# Altium PCB STM32MP25XXAK_2_DDR4.PcbDoc (part 4 of 6) (continued)
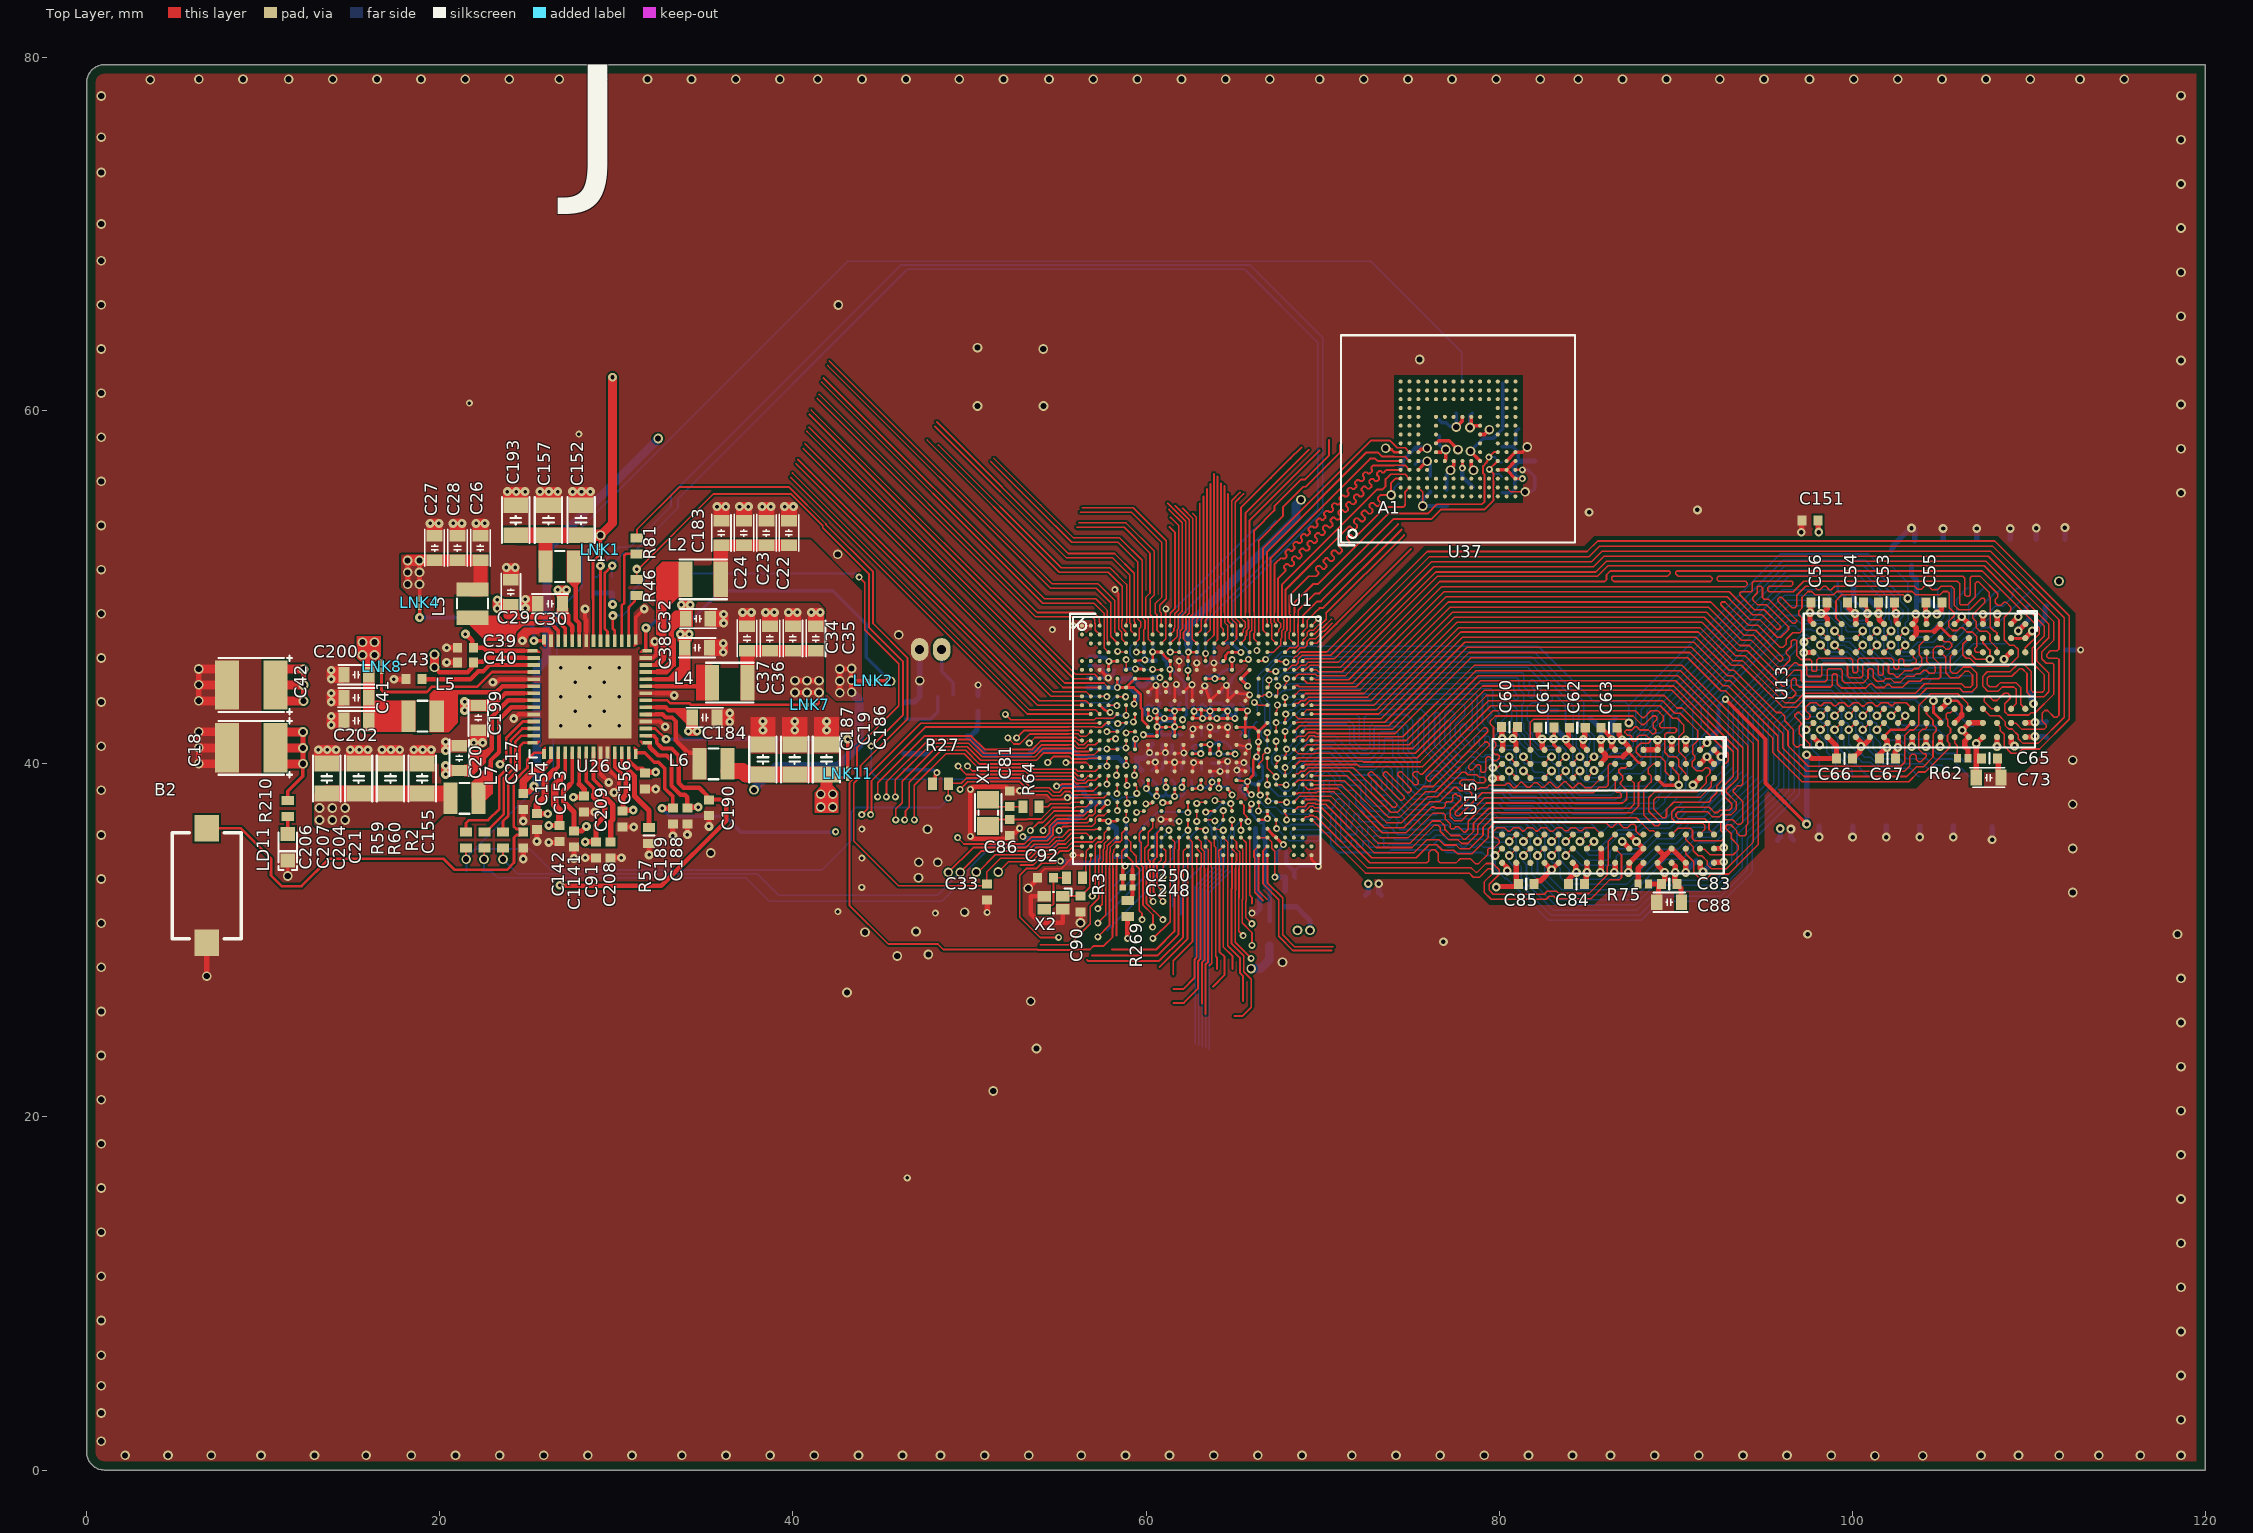
[diagram p0: Top Layer view]
## Nets (pads, with @x,y where several pads share a name; then routed paths per layer and width w, separated by ;. In a path a pad name is that pad's centre, name@x,y a point inside that pad or via, vN(x,y) a via of type N, cw(c..) or ccw(c..) an arc to the next point about the centre after c; other vN are vias at no path point) (continued)
  other v2: 46.475,16.55 48.075,31.55 42.551,31.633 43.9,33 43.902,34.655 43.902,36.305 65.54,40.075 65.87,43.91 64.55,44.448 61.1,44.49 62.606,44.48 54.694,47.6 27.875,58.675 21.675,60.437
  other v3: 24.722,34.61 27.6,34.64 24.725,36.76 20.325,40.75 13.124,40.798 13.625,40.798 14.126,40.798 14.924,40.798 15.425,40.798 15.926,40.798 16.724,40.798 17.225,40.798 17.726,40.798 18.524,40.798 19.025,40.798 19.526,40.798 21.924,41.202 22.425,41.202 20.325,41.25 38.304,41.9 40.104,41.9 41.904,41.9 26.85,42.15 28.5,42.15 30.15,42.15 13.85,42.2 36.42,42.375 38.304,42.401 40.104,42.401 41.904,42.401 13.85,42.7 36.42,42.875 27.675,42.975 29.325,42.975 13.85,43.5 26.85,43.8 28.5,43.8 30.15,43.8 33.28,43.875 13.85,44 27.675,44.625 29.325,44.625 13.85,44.8 13.85,45.3 26.85,45.45 28.5,45.45 30.15,45.45 36.05,46.325 36.05,46.825 36.075,47.975 36.075,48.475 37.15,48.575 37.65,48.575 38.45,48.575 38.95,48.575 39.75,48.575 40.25,48.575 41.05,48.575 41.55,48.575 24.85,48.823 24.85,49.323 23.775,51.123 24.276,51.123 19.45,53.623 19.951,53.623 20.75,53.623 21.251,53.623 22.05,53.623 22.551,53.623 35.7,54.575 36.2,54.575 36.975,54.575 37.475,54.575 38.25,54.575 38.75,54.575 39.525,54.575 40.025,54.575 23.824,55.425 24.325,55.425 24.826,55.425 25.674,55.425 26.175,55.425 26.676,55.425 27.524,55.425 28.025,55.425 28.526,55.425
  other v4: 76.844,29.925 97.475,30.35 84.978,33.854 86.528,33.854 89.378,33.854 92.728,35.254 86.978,35.604 90.178,38.804 79.628,39.179 102.578,40.929 104.178,40.979 100.5,40.99 88.978,41.354 106.228,41.904 110.276,43.405 104.603,43.579 106.203,48.329 104.203,48.479 100.158,48.517 85.1,54.256 91.234,54.385
HSE_IN: C90.2 U1.AG2 X2.1 | length 3.6
  Top Layer w0.1: X2.1@55.284,32.51 56.318,32.51 56.814,33.005 56.814,34.464 56.875,34.525 U1.AG2@56.875,34.825
HSE_OUT: R3.2 U1.AF2 | length 2
  Top Layer w0.09: 56.59,34.075 56.59,34.686 56.625,34.721 56.625,35.075 U1.AF2@56.875,35.325
  Top Layer w0.1: R3.2@56.409,33.546 56.59,33.727 56.59,34.075
I2C7.SCL: R261.1 U1.E15 U26.33 | length 74.8
  Top Layer w0.1: U1.E15@63.375,45.825 v2(63.375,46.25)
  Top Layer w0.15: U26.33@29.5,46.97 29.5,47.5 29.35,47.65 29.35,50.812 v3(29.763,51.225)
  Bottom Layer w0.1: R261.1@29.785,50.583 29.743,50.626 29.743,51.265 30.406,51.929 30.917,51.929 33.493,54.505 33.493,55.016 46.487,68.01 65.588,68.01 69.733,63.865 69.733,54.412 63.375,48.054 v2(63.375,46.25)
I2C7.SDA: R260.1 U1.E19 U26.34 | length 76.1
  Top Layer w0.1: U1.E19@65.375,45.825 v2@65.629,45.825
  Top Layer w0.15: U26.34@29.1,46.97 v3(29.1,51.225)
  Bottom Layer w0.1: R260.1@28.81,50.583 28.9,50.583 29.08,50.763 v3@29.08,51.228 ; v3@29.093,51.228 30.141,52.275 30.771,52.275 33.099,54.603 33.099,55.234 46.115,68.25 65.899,68.25 70.009,64.14 70.009,54.304 64.91,49.206 64.91,47.299 65.8,46.41 v2(65.8,45.915)
MP257_WAKEUP: U1.AF5 U26.32 | length 59.2
  Top Layer w0.09: 58.125,34.075 58.125,34.929 58.165,34.969 58.165,35.115 U1.AF5@58.375,35.325
  Top Layer w0.1: v2(43.751,50.58) 44.063,50.269 44.063,47.604 45.995,45.672 45.995,43.285 43.631,40.921 43.631,39.348 43.2,38.916 43.2,31.993 45.395,29.797 48.212,29.797 48.525,29.485 53.864,29.485 53.889,29.46 55.786,29.46 55.811,29.485 56.828,29.485 57.032,29.69 57.602,29.69 58.106,30.195 58.106,30.747 58.125,30.765 58.125,34.075
  Top Layer w0.15: v3(29.8,48.4) 29.8,47.653 29.9,47.553 U26.32@29.9,46.97
  Bottom Layer w0.1: v3@29.78,48.403 30.361,48.403 30.78,48.823 30.78,49.661 31.898,50.778 43.543,50.778 43.74,50.58 v2(43.751,50.58)
NetB2_2: B2.2 C155.2 U26.1 | length 28.3
  Top Layer w0.15: B2.2@6.795,36.354 8.721,36.354 10.438,34.637 10.438,33.673 11.036,33.075 12.162,33.075 13.713,34.625 20.219,34.625 20.845,33.999 23.799,33.999 24.2,34.4 24.2,35.825 24.347,35.972 24.554,35.972 C155.2@24.727,36.145 24.562,36.31 24.338,36.31 24.187,36.46 24.187,39.008 24.962,39.783 24.962,40.237 25.355,40.63 U26.1@25.9,40.63
NetC14_2: C14.2 D6.2 R66.2 | length 2.9
  Bottom Layer w0.2: C14.2@46.382,42.565 46.424,42.523 D6.2@47.673,42.523 47.792,42.523 48.192,42.923 R66.2@48.192,43.796
NetC15_2: C15.2 C252.2 C260.2 R11.2 U1.AB20 U1.AB22 U1.AC21 | length 8.8
  Top Layer w0.15: U1.AB20@65.875,37.325 65.875,37.607 65.95,37.682 v2@65.95,37.75 ; U1.AC21@66.375,36.825 v2@66.732,36.825
  Top Layer w0.16: U1.AB22@66.875,37.325 66.875,36.95 v2@66.9,36.925
  Bottom Layer w0.15: v2(65.969,37.735) 65.95,37.716 65.95,37.205 66.167,36.988 66.167,36.939 66.355,36.75 66.374,36.75 66.474,36.65 66.502,36.65 66.637,36.65 v2@66.875,36.889 ; 66.597,36.65 66.675,36.572 66.675,36.37
  Bottom Layer w0.25: 66.675,36.37 66.675,35.766 66.721,35.72 C15.2@66.721,35.716 ; C15.2@66.75,35.714 66.75,33.083 67,32.833 R11.2@67,31.075
  other v2: 66.875,36.9
NetC43_2: C43.2 U26.45 | length 6.7
  Top Layer w0.21: 24.775,45.6 U26.45@25.33,45.6
  Top Layer w0.25: C43.2@19.015,44.79 21.731,44.79 22.176,45.235 22.451,45.235 22.816,45.6 24.775,45.6
NetC54_2: C54.2 R146.1 R147.2 U13.M1 | length 3.4
  Top Layer w0.2: C54.2@100.63,49.15 100.785,48.995 100.785,48.886 100.818,48.853 100.818,48.559 v4@100.848,48.529 ; v4@100.828,48.476 100.828,48.079 100.982,47.925 U13.M1@101.006,47.925
  Bottom Layer w0.15: R146.1@100.095,49.275 v4@100.853,48.516
  Bottom Layer w0.3: R147.2@100.082,50.229 100.082,49.288 R146.1@100.095,49.275
  other v4: 100.86,48.517
NetC61_2: C61.2 R141.1 R142.2 U15.M1 | length 4.2
  Top Layer w0.2: v4@83.044,41.362 v4(83.088,41.406) ; C61.2@83.115,42.05 83.115,41.433 v4(83.088,41.406) ; U15.M1@83.374,40.797 83.088,41.083 v4(83.088,41.406)
  Bottom Layer w0.1: 82.79,43.023 82.768,43 82.768,41.726 v4(83.088,41.406)
  Bottom Layer w0.2: R142.2@82.271,43.023 82.79,43.023 R141.1@83.268,43.023 R141.1@83.31,43.023
NetC79_2: C79.2 C130.2 U37.C2 | length 3.5
  Top Layer w0.09: U37.C2@75.425,55.655 75.675,55.405 v1(75.675,54.605)
  Bottom Layer w0.25: C79.2@76.11,55.405 75.675,54.97 v1(75.675,54.605) C130.2@77.027,54.605
NetC81_1: C81.1 R64.2 X1.1 | length 2.1
  Top Layer w0.1: X1.1@51.059,37.975 51.459,37.575 C81.1@52.285,37.575 R64.2@53.035,37.575
NetC92_1: C92.1 R3.1 X2.3 | length 2.9
  Top Layer w0.1: X2.3@54.234,31.76 54.461,31.987 54.694,31.987 54.759,32.052 C92.1@54.759,33.546 R3.1@55.509,33.546
NetC208_1: C208.1 U26.8 | length 5.4
  Top Layer w0.21: U26.8@28.7,40.63 28.7,39.134 29.125,38.709 29.125,38.345 29.298,38.172
  Top Layer w0.3: 29.298,38.172 29.8,37.67 29.8,36.843 29.675,36.718 C208.1@29.675,35.705
NetC225_2: C225.2 U1.R7 | length 1.1
  Top Layer w0.1: U1.R7@59.375,40.825 v2@59.375,41.41
  Bottom Layer w0.1: C225.2@59.375,40.95 C225.2@59.425,40.9
  Bottom Layer w0.3: C225.2@59.375,40.95 v2@59.375,41.41
  other v2: 59.41,41.41
NetC235_2: C235.2 C244.2 R267.1 U1.AB6 | length 3.2
  Top Layer w0.09: v2(58.875,36.825) U1.AB6@58.875,37.325
  Bottom Layer w0.2: R267.1@58.223,34.723 58.734,34.723 58.875,34.864 C235.2@58.875,35.625 C244.2@58.875,36.331 v2(58.875,36.825)
NetC251_2: C251.2 R286.2 U1.AE21 U1.AE22 | length 4.3
  Top Layer w0.09: U1.AE21@66.375,35.825 U1.AE22@66.875,35.825 ; U1.AE22@66.902,35.798 67.125,35.575 67.125,35.221 67.295,35.052 67.295,33.593 v2(67.3,33.588)
  Top Layer w0.1: U1.AE22@66.875,35.825 U1.AE22@66.902,35.798
  Bottom Layer w0.3: v2(67.3,33.588) C251.2@67.89,33.588 R286.2@67.89,32.815
NetCN12_1: CN12.1 R66.1 | length 3.2
  Bottom Layer w0.2: CN12.1@48.425,46.801 48.425,45.241 49.083,44.583 R66.1@49.083,43.917
NetD6_1: D6.1 R67.1 | length 1.4
  Bottom Layer w0.3: R67.1@46.3,40.575 47.625,40.575 D6.1@47.673,40.623
NetD7_1: D7.1 R248.1 U37.K5 | length 5.7
  Top Layer w0.2: v1(78.375,57.705) U37.K5@78.925,57.155
  Bottom Layer w0.2: v1(78.375,57.705) 79.125,58.455 79.682,58.455 R248.1@80.207,58.98 80.207,61.55 D7.1@80.195,61.563
NetL1_1: L1.1 U26.37 | length 4.2
  Top Layer w0.21: U26.37@27.9,46.97 27.9,47.525
  Top Layer w0.25: L1.1@27.7,51.135 27.7,48.173 27.9,47.973 27.9,47.525
NetL2_1: L2.1 U26.26 | length 6
  Top Layer w0.09: 32.725,48.56 32.725,49.26 33.433,49.968 33.56,49.968 33.915,50.323 L2.1@33.915,50.45
  Top Layer w0.2: U26.26@31.917,45.6 32.4,45.6 32.725,45.925 32.725,48.56
NetL3_1: L3.1 U26.40 | length 5.9
  Top Layer w0.15: L3.1@21.698,48.162 L3.1@21.85,48.01
  Top Layer w0.21: L3.1@21.85,48.275 22.135,47.99 23.91,47.99 26.265,47.99 26.7,47.555 U26.40@26.7,46.97
NetL4_1: L4.1 U26.23 | length 3.8
  Top Layer w0.15: L4.1@35.36,43.885 L4.1@35.36,44.4
  Top Layer w0.21: U26.23@31.67,44.4 32.225,44.4
  Top Layer w0.25: 32.225,44.4 35,44.4
NetL5_1: L5.1 U26.48 | length 7.2
  Top Layer w0.15: L5.1@19.618,42.448 L5.1@19.87,42.7 ; L5.1@20.09,42.585 L5.1@20.09,43.1
  Top Layer w0.21: 24.775,44.4 U26.48@25.33,44.4
  Top Layer w0.25: 19.825,43.6 20.275,44.05 23.2,44.05 23.55,44.4 24.775,44.4 ; L5.1@20.09,43.1 20.09,43.615
NetL6_1: L6.1 U26.19 | length 4.9
  Top Layer w0.21: U26.19@31.67,42.8 32.225,42.8
  Top Layer w0.25: 32.225,42.8 32.623,42.8 32.798,42.625 33.15,42.625 33.375,42.4 33.375,41.325 34.071,40.629 34.425,40.629 34.43,40.624 L6.1@34.43,40.025
NetL7_1: L7.1 U26.51 | length 7.4
  Top Layer w0.21: 24.775,43.2 U26.51@25.33,43.2
  Top Layer w0.25: L7.1@22.425,38.425 L7.1@22.425,38.669 ; L7.1@22.475,37.95 22.875,38.35 22.875,40.184 23.35,40.659 23.35,42.503 24.047,43.2 24.775,43.2
NetLD11_1: LD11.1 R210.2 | length 1
  Top Layer w0.2: LD11.1@11.386,36.022 R210.2@11.386,37.015
NetR2_2: R2.2 U26.56 | length 6.1
  Top Layer w0.15: R2.2@23.58,36.145 23.58,36.76 23.875,37.055 23.875,39.091 24.512,39.728 24.512,40.985 24.727,41.2 U26.56@25.255,41.2
NetR46_2: R46.2 U26.30 | length 2.8
  Top Layer w0.15: U26.30@30.7,46.97 30.7,48.87 31.032,49.202 31.032,49.43 R46.2@31.15,49.548
NetR57_2: R57.2 U26.12 | length 4.9
  Top Layer w0.21: U26.12@30.3,40.63 30.3,40.016 30.47,39.845
  Top Layer w0.3: 30.47,39.845 31.025,39.291 31.025,38.174 31.85,37.349 R57.2@31.85,36.4
NetR59_2: R59.2 U26.54 | length 8.5
  Top Layer w0.15: R59.2@21.48,36.145 21.48,36.64 21.65,36.81 22.736,36.81 23.375,37.449 23.375,39.298 24.012,39.935 24.012,41.335 24.677,42 U26.54@25.33,42
NetR60_2: R60.2 U26.55 | length 7.1
  Top Layer w0.15: R60.2@22.53,36.145 22.604,36.145 23.625,37.166 23.625,39.194 24.262,39.832 24.262,41.232 24.631,41.6 U26.55@25.33,41.6
NetR62_2: R62.2 U13.F9 | length 1.3
  Top Layer w0.09: U13.F9@105.806,41.525 105.806,41.175 105.956,41.025 R62.2@105.956,40.325
NetR75_2: R75.2 U15.F9 | length 1.3
  Top Layer w0.3: R75.2@87.875,33.193 87.875,34.069 88.181,34.374 U15.F9@88.181,34.4
NetR81_2: R81.2 U26.31 | length 5.7
  Top Layer w0.15: U26.31@30.3,46.97 30.3,48.973 30.45,49.123 30.45,51.81 30.538,51.898 R81.2@31.163,51.898
NetR174_2: R174.2 U1.K22 | length 1.4
  Top Layer w0.1: v2(66.135,43.486) 66.212,43.486 66.374,43.325 U1.K22@66.875,43.325
  Bottom Layer w0.1: v2(66.135,43.486) 66.135,43.454 66.3,43.289 R174.2@66.3,42.975
NetTP21_1: TP21.1 U37.H5 | length 1.7
  Top Layer w0.15: v2(77.925,56.755) U37.H5@77.925,57.155
  Bottom Layer w0.25: v2(77.925,56.755) 77.925,56.256 TP21.1@78.516,55.665
NRST: C33.2 R81.1 U1.AE1 | length 49.7
  Top Layer w0.09: 55.444,35.457 55.812,35.825 U1.AE1@56.375,35.825
  Top Layer w0.1: R81.1@31.163,52.798 31.163,53.273 33.565,55.675 39.786,55.675 41.873,53.588 41.873,53.551 44.541,50.883 44.541,47.949 46.497,45.992 46.497,42.556 43.821,39.879 43.821,39.269 43.443,38.89 43.443,35.633 45.978,33.097 50.897,33.097 C33.2@51,33.2 50.975,33.225 50.975,33.875 51.758,34.658 53.449,34.658 53.863,35.073 54.632,35.073 55.016,35.457 55.444,35.457
NRSTC1MS: D7.2 R27.1 R59.1 R272.1 U1.W3 | length 123.2
  Top Layer w0.09: 56.11,38.46 57.01,38.46 U1.W3@57.375,38.825
  Top Layer w0.1: R59.1@21.48,35.245 21.475,35.24 21.475,34.625 v1@21.49,34.61 ; v2(48.805,38.061) R27.1@48.805,38.872 48.805,38.904 49.542,38.904 49.831,39.194 49.936,39.194 49.938,39.192 50.559,39.192 50.561,39.194 52.93,39.194 53.474,38.65 54.531,38.65 54.787,38.394 55.077,38.394 55.319,38.635 55.764,38.635 55.939,38.46 56.11,38.46
  Bottom Layer w0.1: R272.1@21.505,33.882 21.505,34.595 21.49,34.61 21.49,34.694 21.972,35.176 ; v2(48.805,38.061) 48.805,38.016 48.314,37.526 43.556,37.526 43.288,37.258 43.288,35.651 41.626,33.989 26.279,33.989 25.092,35.176 21.972,35.176 ; D7.2@77.88,61.563 77.88,63.32 72.735,68.465 43.114,68.465 28.049,53.4 28.049,50.003 26.618,48.572 26.618,45.92 26.431,45.733 26.431,39.267 25.501,38.337 25.133,38.337 21.972,35.176
  other v1: 21.49,34.6
OSC32_IN: C86.1 U1.AA2 X1.2 | length 6.4
  Top Layer w0.09: 55.625,37.525 56,37.525 56.05,37.575 56.625,37.575 U1.AA2@56.875,37.825
  Top Layer w0.1: X1.2@51.059,36.475 51.434,36.85 53.271,36.85 53.296,36.875 54.052,36.875 54.702,37.525 55.625,37.525
OSC32_OUT: R64.1 U1.AA1 | length 2.5
  Top Layer w0.09: 56.05,37.825 U1.AA1@56.375,37.825
  Top Layer w0.1: R64.1@53.935,37.575 54.436,37.575 54.597,37.735 55.695,37.735 55.784,37.825 56.05,37.825
PMIC_WAKEUPn: R46.1 U1.W7 | length 46.6
  Top Layer w0.09: U1.W7@59.375,38.825 59.375,38.802 59.475,38.702 v2(59.475,38.325)
  Top Layer w0.1: R46.1@31.15,50.448 31.15,50.942 35.501,55.293 39.879,55.293 41.683,53.488 41.683,53.37 44.316,50.738 44.316,47.708 46.24,45.785 46.24,42.779 44.461,41 v2(44.43,41)
  Bottom Layer w0.09: v2(44.43,41) 44.43,39.527 44.833,39.123 56.341,39.123 57.139,38.325 57.851,38.325 58.206,37.97 58.492,37.97 58.637,38.115 59.265,38.115 v2(59.475,38.325)
  other v3: 31.15,51.033
PWR_CPU_ON: R60.1 R272.2 U1.AB4 | length 40.2
  Top Layer w0.09: 55.627,36.457 56.927,36.457 57.125,36.655 57.125,36.929 57.271,37.075 57.625,37.075 U1.AB4@57.875,37.325
  Top Layer w0.095: 55.57,36.455 55.625,36.455
  Top Layer w0.1: v1(22.5,34.6) 22.514,34.614 22.514,35.229 R60.1@22.53,35.245 ; v2(55.077,36.225) 55.307,36.455 55.57,36.455
  Bottom Layer w0.1: R272.2@22.405,33.882 22.936,33.882 23.265,33.553 37.33,33.553 38.666,32.217 48.438,32.217 49.9,33.679 49.9,34.006 51.228,35.335 54.815,35.335 55.083,35.603 v2@55.083,36.219 ; R272.2@22.471,34.068 22.5,34.097 v1(22.5,34.6)
PWR_ON: R2.1 U1.AD3 | length 36.9
  Top Layer w0.09: 56.084,36.26 57.09,36.26 57.128,36.298 57.348,36.298 U1.AD3@57.375,36.325
  Top Layer w0.1: v1(23.575,34.6) 23.58,34.605 R2.1@23.58,35.245 ; v1(49.475,33.855) 50.678,35.058 53.276,35.058 53.671,35.453 54.474,35.453 54.865,35.844 55.241,35.844 55.659,36.262 56.082,36.262
  Bottom Layer w0.1: v1(23.575,34.6) 24.4,33.775 37.982,33.775 39.197,32.561 48.18,32.561 v1(49.475,33.855)
VBAT: C87.2 D6.3 U1.T6 | length 12.2
  Top Layer w0.15: v2@58.875,39.933 U1.T6@58.875,40.325
  Bottom Layer w0.3: C87.2@50.485,42.988 50.485,42.185 50.423,42.123 50.423,41.923 50.073,41.573 D6.3@49.873,41.573 50.976,40.471 53.326,40.471 53.642,40.788 55.87,40.788 56.299,40.358 58.427,40.358 v2@58.864,39.921 ; v2@58.831,39.889 v2@58.864,39.921 ; v2(58.875,39.91) v2@58.864,39.921 ; v2@58.875,39.933 v2@58.864,39.921
VDD3V3_USB: C156.2 R286.1 U26.13 | length 50.7
  Top Layer w0.21: U26.13@30.7,40.63 30.7,40.2 31.163,39.737 31.418,39.737 31.42,39.735 31.49,39.735 31.625,39.6 C156.2@31.625,39.53
  Top Layer w0.3: C156.2@31.625,39.53 v3(32.235,39.53)
  Signal Layer 2 w0.3: 43.518,27.562 67.603,27.562 69.284,29.244 v1(69.284,30.569)
  Signal Layer 2 w0.5: v3(32.235,39.53) 35.12,39.53 37.15,37.5 37.15,33.93 43.518,27.562
  Bottom Layer w0.3: R286.1@67.89,31.915 67.898,31.908 68.514,31.908 69.284,31.138 v1(69.284,30.569)
VDD_DDR: C13.2 C39.2 C41.2 C53.2 C55.2 C56.2 C60.2 C62.2 C63.2 C65.2 C67.2 C73.2 C75.2 C76.2 C77.1 C82.2 C83.2 C84.2 C88.2 C150.2 C151.2 C162.2 C194.2 C197.2 C200.2 C202.2 C205.2 C218.2 C219.2 C221.2 L5.2 LNK8.2 R141.2 R146.2 U1.1C11 U1.1D12 U1.1E11 U1.1F12 U1.1L11 U1.1M12 U1.M22 U1.N21 U1.R21 U13.A1 U13.A9 U13.B3 U13.B9 U13.C1 U13.D1 U13.D9 U13.F2 U13.F8 U13.G1 U13.G7 U13.G9 U13.J1 U13.J2 U13.J8 U13.J9 U13.L1 U13.L9 U13.R1 U13.T9 U15.A1 U15.A9 U15.B3 U15.B9 U15.C1 U15.D1 U15.D9 U15.F2 U15.F8 U15.G1 U15.G7 U15.G9 U15.J1 U15.J2 U15.J8 U15.J9 U15.L1 U15.L9 U15.R1 U15.T9 U26.43 | length 81.5
  Top Layer w0.09: U15.J8@85.75,35.174 U15.J8@85.75,35.199 ; U13.G1@105.006,47.75 U13.G1@105.006,47.869 ; U13.A9@109.781,41.502 U13.A9@109.805,41.526
  Top Layer w0.15: v1(16.298,46.165) 16.7,45.763 LNK8.2@16.7,45.723 ; U1.1L11@65.125,39.075 v2(65.75,39) 65.746,38.996 65.746,38.703 65.625,38.582 U1.1M12@65.625,38.575 65.625,38.565 v2@65.9,38.29 ; U1.1E11@65.125,42.075 65.625,42.075 ; U1.1C11@65.125,43.075 65.675,43.075 v2(65.75,43) ; U1.1F12@65.625,41.575 65.625,42.075 ; v2@65.675,42.99 65.675,42.646 65.625,42.597 U1.1D12@65.625,42.575 65.625,42.075 ; 86.006,40.4 87.015,40.4 ; U15.G1@87.381,40.8 87.381,40.773 87.381,40.61 87.936,40.055 U15.F2@88.126,40.055 ; U13.L9@101.806,41.525 101.806,41.55 102.181,41.925 102.956,41.925 U13.J8@103.417,42.386 ; 103.638,47.503 104.647,47.503 ; U13.G1@105.006,47.75 105.522,47.234 105.691,47.234 105.8,47.125 U13.F2@105.806,47.125 ; v4(105.403,43.579) 105.927,43.579 106.206,43.3 106.206,42.825
  Top Layer w0.16: 65.7,42.075 66.125,42.075 U1.N21@66.375,41.825 ; v2(65.75,39) 65.75,39.031 66.071,39.352 66.071,40.221 v2@66.248,40.398 ; v2(66.26,40.398) 66.26,40.463 66.362,40.565 66.362,40.812 U1.R21@66.375,40.825 66.375,41.233 v2(66.364,41.244) 66.364,41.814 U1.N21@66.375,41.825 ; U1.M22@66.875,42.325 U1.N21@66.375,41.825
  Top Layer w0.21: 24.775,46.4 U26.43@25.325,46.4
  Top Layer w0.25: 21.695,47.125 21.699,47.125 21.845,46.979 21.845,46.685 C39.2@21.955,46.575 ; C39.2@22.005,46.575 22.475,46.575 22.65,46.4 24.775,46.4
  Top Layer w0.3: v3@21.444,47.376 21.695,47.125 ; U15.T9@80.181,34.4 80.467,34.114 80.467,33.947 v4(80.458,33.939) ; U15.R1@80.981,40.8 80.962,40.819 80.962,41.19 80.781,41.371 80.781,41.479 80.901,41.599 80.901,41.97 C60.2@81.006,42.075 ; C84.2@83.836,33.16 C84.2@83.874,33.197 ; C62.2@83.931,41.972 83.931,41.493 83.836,41.398 83.836,41.148 84.158,40.825 84.181,40.825 U15.L1@84.181,40.8 ; C84.2@83.948,33.472 84.327,33.85 84.381,33.85 84.342,33.888 84.342,34.211 84.181,34.373 U15.L9@84.181,34.4 ; v4@85.731,33.85 85.781,33.9 U15.J8@85.781,35.2 ; U15.J2@85.781,40 85.8,40.019 85.8,40.092 86.006,40.299 86.006,40.4 86.006,40.547 85.781,40.773 v4@85.781,41.375 ; C63.2@86.67,42.05 86.806,41.914 86.806,41.632 86.881,41.557 86.881,41.504 86.981,41.404 86.981,41.325 87.362,40.944 87.362,40.819 U15.G1@87.381,40.8 ; 87.015,40.4 87.015,40.407 U15.G1@87.381,40.773 ; v4@87.376,33.855 87.381,33.859 87.381,34.4 88.181,35.2 88.175,35.2 88.168,35.2 87.781,35.588 87.781,35.6 87.393,35.987 87.381,35.987 U15.G7@87.381,36 ; U15.D9@89.781,34.4 89.981,34.2 89.981,33.85 89.951,33.82 89.951,33.305 90.306,32.95 C88.2@90.306,32.175 ; U15.D1@89.781,40.8 v4@89.781,41.35 ; U15.C1@90.581,40.8 v4@90.581,41.35 ; v4@90.981,38.8 U15.B3@91.381,39.2 ; U15.B9@91.4,34.348 91.4,34.085 91.556,33.929 v4@91.556,33.875 ; U15.A1@92.181,40.8 v4@92.581,40.4 ; U15.A9@92.2,34.419 92.621,34.419 92.677,34.475 92.702,34.45 v4@92.731,34.45 ; U13.T9@97.812,41.503 98.197,41.119 98.197,41.116 v4(98.152,41.071) ; C151.2@98.055,53.774 98.079,53.749 98.079,53.151 v5(98.104,53.126) ; C56.2@98.58,49.145 98.583,49.148 98.583,48.774 98.332,48.522 v5(98.241,48.522) 98.279,48.484 98.339,48.484 98.605,48.218 U13.R1@98.605,47.92 ; C53.2@101.5,49.15 101.5,48.529 101.492,48.521 101.53,48.483 101.53,48.179 U13.L1@101.789,47.92 ; C67.2@101.549,40.307 101.549,40.544 101.958,40.953 101.978,40.953 v4@101.981,40.95 ; U13.L9@101.812,41.476 101.981,41.308 v4@101.981,40.95 ; v4@101.981,40.925 v4@101.981,40.95 ; v4@103.381,40.975 103.406,41 U13.J9@103.406,41.525 ; U13.J2@103.405,47.12 103.638,47.353 103.638,47.503 103.638,47.687 U13.J1@103.405,47.92 103.606,48.121 v4@103.606,48.475 ; 104.647,47.503 104.647,47.51 U13.G1@105.006,47.869 ; v4@104.806,48.475 105.056,48.725 C55.2@105.056,49.15 ; v4@104.981,40.975 105.006,41 U13.G9@105.006,41.525 ; U13.G7@105.033,43.121 U13.G7@105.082,43.17 ; U13.G7@105.083,43.17 105.364,43.451 105.364,43.541 v4(105.403,43.579) ; U13.F8@105.806,42.325 106.206,42.725 106.206,42.825 ; C73.2@107.006,39.2 107.022,39.217 107.022,40.313 107.022,41.142 107.384,41.503 U13.D9@107.412,41.503 ; U13.D1@107.412,47.903 v4@107.412,48.453 ; U13.C1@108.212,47.903 v4@108.212,48.453 ; v4@108.606,45.925 U13.B3@109.006,46.325 ; U13.B9@109.006,41.525 109.006,41.175 v4@109.181,41 ; v4@109.406,47.525 U13.A1@109.806,47.925 ; U13.A9@109.806,41.525 110.331,41.525 v4@110.356,41.55
  Top Layer w0.64: C202.2@15.975,42.45 C41.2@15.975,43.75 C200.2@15.975,45.05 ; 15.975,45.495 15.975,45.925
  Top Layer w0.8: C202.2@16.2,42.45 L5.2@17.975,42.45
  Signal Layer 2 w0.3: v4@95.889,36.291 v4(95.928,36.329)
  Bottom Layer w0.09: C162.2@110.028,48.204 C162.2@110.053,48.179
  Bottom Layer w0.15: C13.2@65.35,43.425 v2@65.627,43.148 ; C82.2@65.352,41.603 65.452,41.703 65.452,41.862 65.625,42.035 ; 65.625,42.075 65.625,42.143 65.675,42.193 v2@65.675,42.99 ; 66.464,38.973 66.61,39.119 66.61,39.855 C75.2@66.565,39.9
  Bottom Layer w0.16: v2(66.364,41.244) 66.364,40.674 66.271,40.581 66.271,40.421 66.248,40.398 66.248,40.333 66.339,40.242 66.339,40.187 66.47,40.055 66.47,39.995 66.535,39.93 C75.2@66.555,39.93
  Bottom Layer w0.2: v2(65.97,38.26) 65.599,38.26 65.349,38.51 65.349,38.573 65.274,38.648 65.349,38.723 65.463,38.723 65.466,38.726 65.476,38.726 v2(65.75,39) 65.788,38.962 65.922,38.962 66.009,38.875 66.15,38.875 C77.1@66.225,38.8 66.398,38.973 66.464,38.973
  Bottom Layer w0.3: C221.2@72.439,32.556 72.589,32.706 v4(72.589,33.206) ; R141.2@83.272,42.12 83.272,41.917 83.284,41.906 83.295,41.906 83.4,41.801 83.588,41.613 83.588,41.552 83.742,41.398 v4(83.78,41.398) ; C194.2@85.178,42.579 85.566,42.191 ; 85.603,42.154 85.778,41.979 v4(85.778,41.379) ; v4(91.553,33.879) 92.128,34.454 v4(92.728,34.454) ; C205.2@92.053,39.754 92.578,40.279 v4(92.578,40.404) ; C218.2@95.778,35.679 95.928,35.829 v4(95.928,36.329) ; R146.2@100.995,49.275 101.492,48.778 v4@101.492,48.521 ; C150.2@103.363,51.228 103.363,50.7 103.643,50.419 103.643,49.266 ; v4(103.603,48.479) 103.643,48.52 103.643,49.266 ; v4(104.803,48.479) 104.803,48.804 104.341,49.266 103.643,49.266 ; v4(109.403,47.529) 109.403,47.579 C162.2@110.028,48.204 ; v4(110.353,41.554) 110.953,41.554 C197.2@111.003,41.504
  other v1: 15.623,46.165 15.623,46.89 16.298,46.89
  other v3: 21.45,47.348
  other v4: 84.378,33.854 85.728,33.854 87.328,33.854 89.978,33.854 87.778,35.604 90.978,38.804 101.978,40.929 103.378,40.979 104.978,40.979 109.195,41.004 107.028,41.154 86.978,41.354 89.778,41.354 90.578,41.354 80.778,41.429 108.603,45.929 107.413,48.47 108.213,48.479 101.492,48.517
VDD_DDR_FB: LNK8.1 U26.46 | length 10.2
  Top Layer w0.15: LNK8.1@16.7,45.273 16.7,44.19 16.817,44.073 19.267,44.073 19.567,44.373 20.237,44.373 20.239,44.375 22.127,44.375 22.952,45.2 U26.46@25.33,45.2
VDD_EMMC: C9.2 C117.2 C190.1 U26.16 U37.E6 U37.F5 U37.J10 U37.K9 | length 132.1
  Top Layer w0.2: U37.E6@76.425,57.655 76.73,57.655 76.88,57.805 v1(76.975,57.805) 76.975,57.213 76.925,57.163 U37.F5@76.925,57.155 ; v1(78.35,59.055) v1@78.425,59.13 ; U37.J10@78.425,59.655 78.425,59.225 78.417,59.217 78.417,59.138 v1@78.425,59.13 ; U37.K9@78.925,59.155 78.545,59.155 78.512,59.122 78.433,59.122 v1@78.425,59.13
  Top Layer w0.21: U26.16@31.67,41.6 32.1,41.6 32.288,41.412 32.288,41.187 32.434,41.041
  Top Layer w0.25: v3@26.752,33.092 32.549,33.092 36.225,36.768 36.225,37.668 35.912,37.981 C190.1@35.266,37.981 ; 32.432,41.038 32.598,40.872 33.128,40.872 33.525,40.475 33.525,38.925 33.8,38.65 34.695,38.65 35.25,38.095 C190.1@35.25,38.025
  Signal Layer 2 w0.5: v3(26.8,33.125) 26.49,33.435 26.49,34.869 26.957,35.336 26.957,37.177 26.372,37.762 26.372,39.786 25.509,40.649 23.203,40.649 21.327,38.773 12.524,38.773 11.458,39.839 11.458,52.457 20.147,61.146 53.676,61.146 53.869,60.953 73.827,60.953 v1@76.886,57.894 ; v1(76.975,57.805) 76.975,57.819 77.05,57.894 77.05,58.059 77.431,58.44 77.819,58.44 78.2,58.821 78.2,58.891 78.34,59.032 v1@78.34,59.045
  Bottom Layer w0.2: C9.2@76.615,58.58 76.615,58.074 76.884,57.805 v1(76.975,57.805) ; v1(78.35,59.055) 78.35,59.739 C117.2@78.475,59.864
VDD_SDCARD: C142.1 U26.4 | length 5.1
  Top Layer w0.21: 26.925,39.2 27.1,39.375 U26.4@27.1,40.63
  Top Layer w0.3: v3(26.165,36.51) C142.1@26.775,36.51
  Top Layer w0.4: C142.1@26.775,36.51 26.775,37.393 26.51,37.658 26.51,38.785 26.925,39.2
VDDA1V8_AON: C189.2 C234.2 U1.AB3 U1.W2 U26.14 | length 37.9
  Top Layer w0.09: 56.026,38.692 56.705,38.692 56.837,38.825 U1.W2@56.875,38.825 ; v2@57.825,37.775 v2(57.825,37.8)
  Top Layer w0.1: v2(54.932,38.744) 54.99,38.801 55.205,38.801 55.267,38.863 55.805,38.863 55.975,38.692 56.026,38.692
  Top Layer w0.15: U1.AB3@57.375,37.325 v2@57.825,37.775
  Top Layer w0.21: U26.14@31.1,40.63 31.61,40.63 32.148,40.092 32.387,40.092 32.745,39.734 32.745,38.602 33.2,38.147 C189.2@33.2,37.49
  Top Layer w0.3: v3(32.59,37.49) C189.2@33.2,37.49
  Signal Layer 2 w0.2: v2(42.415,36.154) 43.144,35.425 52.627,35.425 53.025,35.823 v2(53.025,35.875)
  Bottom Layer w0.2: v3@32.57,37.493 33.032,37.031 36.158,37.031 37.056,36.133 42.394,36.133 v2(42.415,36.154)
  Bottom Layer w0.3: v2(53.025,35.875) 53.052,35.875 53.152,35.775 53.829,35.775 53.836,35.769 54.451,35.769 54.627,35.944 54.627,36.412 54.891,36.675 55.461,36.675 55.662,36.877 56.088,36.877 57.012,37.8 ; v2(54.932,38.744) 54.936,38.748 C234.2@56.064,38.748 56.199,38.613 56.338,38.613 56.479,38.472 56.479,38.333 57.012,37.8 ; v2(57.825,37.8) 57.012,37.8